# Allegro board reComputer Industrial J201_V1.2.brd (continued)
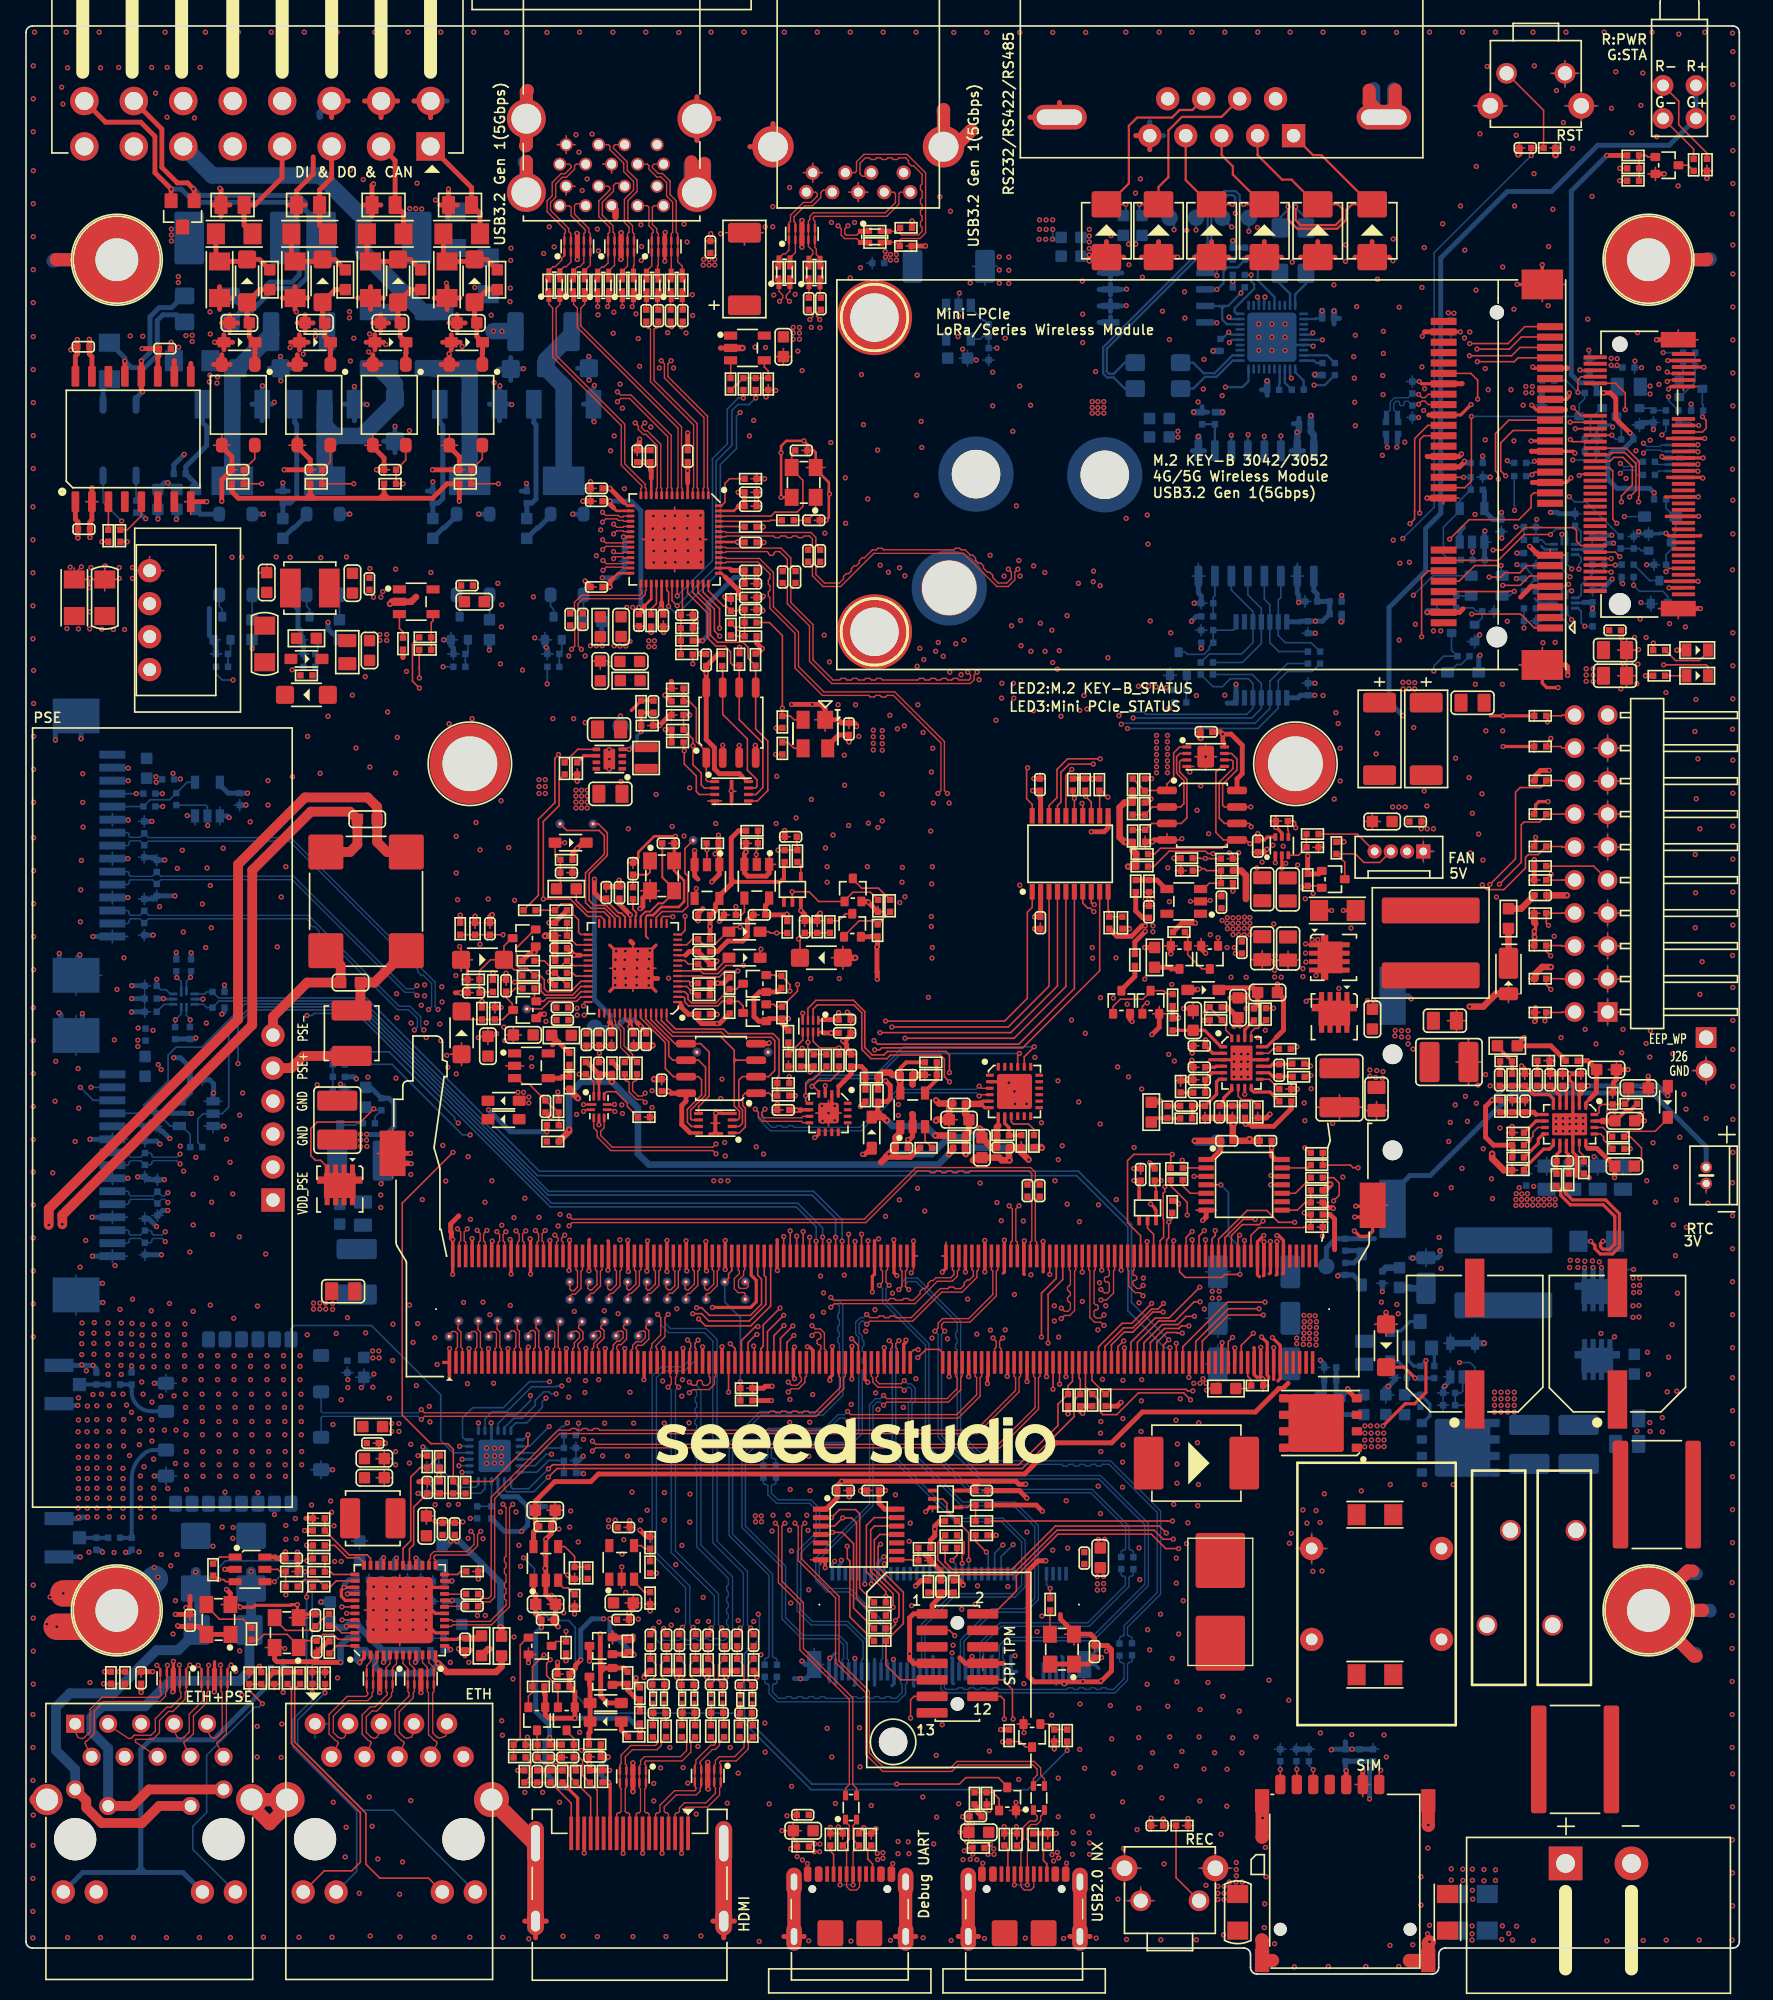
[diagram p0: board, top side]
## Placement (name value [footprint] x y rotation side) (continued)
TP10  Test Point  [TP28C8D]  44.9 53.29 0 top
TP11  Test Point  [TP28C8D]  46.35 53.29 0 top
TP12  Test Point  [TP28C8D]  47.85 53.29 0 top
TP13  Test Point  [TP28C8D]  49.4 53.29 0 top
TP14  Test Point  [TP28C8D]  50.85 53.29 0 top
TP15  Test Point  [TP28C8D]  52.35 53.29 0 top
TP16  Test Point  [TP28C8D]  53.84 53.29 0 top
TP17  Test Point  [TP28C8D]  55.41 51.96 180 top
TP18  Test Point  [TP28C8D]  41.9 51.94 0 top
TP19  Test Point  [TP28C8D]  43.4 51.94 180 top
TP20  Test Point  [TP28C8D]  44.9 51.94 0 top
TP21  Test Point  [TP28C8D]  46.35 51.94 0 top
TP22  Test Point  [TP28C8D]  47.85 51.94 0 top
TP23  Test Point  [TP28C8D]  49.4 51.94 0 top
TP24  Test Point  [TP28C8D]  50.85 51.94 0 top
TP25  Test Point  [TP28C8D]  52.4 51.94 0 top
TP26  Test Point  [TP28C8D]  33.35 50.29 0 top
TP27  Test Point  [TP28C8D]  34.85 50.29 180 top
TP28  Test Point  [TP28C8D]  36.35 50.29 0 top
TP29  Test Point  [TP28C8D]  37.9 50.29 0 top
TP30  Test Point  [TP28C8D]  39.45 50.29 0 top
TP31  Test Point  [TP28C8D]  41.15 50.24 0 top
TP32  Test Point  [TP28C8D]  46.31 50.24 0 top
TP33  Test Point  [TP28C8D]  42.84 50.24 180 top
TP34  Test Point  [TP28C8D]  44.57 50.24 180 top
TP35  Test Point  [TP28C8D]  48.02 50.24 180 top
TP36  Test Point  [TP28C8D]  40.3 49.14 0 top
TP37  Test Point  [TP28C8D]  45.46 49.14 0 top
TP38  Test Point  [TP28C8D]  41.99 49.14 180 top
TP39  Test Point  [TP28C8D]  43.72 49.14 180 top
TP40  Test Point  [TP28C8D]  47.17 49.14 180 top
TP41  Test Point  [TP28C8D]  32.6 49.09 180 top
TP42  Test Point  [TP28C8D]  34.15 49.09 180 top
TP43  Test Point  [TP28C8D]  35.65 49.09 0 top
TP44  Test Point  [TP28C8D]  37.15 49.09 0 top
TP45  Test Point  [TP28C8D]  38.7 49.09 0 top
TP46  Test Point  [TP60C_SMD]  45.8 96.1 0 bottom
TP47  Test Point  [TP60C_SMD]  91.76 64.03 270 bottom
TP48  Test Point  [TP60C_SMD]  100.18 54.5 90 bottom
TP49  Test Point  [TP60C_SMD]  43.82 72.87 180 bottom
TP50  Test Point  [TP60C_SMD]  88.11 135.23 0 bottom
TP51  Test Point  [TP60C_SMD]  90.14 135.23 0 bottom
TP52  Test Point  [TP60C_SMD]  92.18 135.23 0 bottom
TP53  Test Point  [TP60C_SMD]  94.21 135.23 0 bottom
U1  TPD4E02B04DQAR  [USON10_0D5_2D5X1X0D5MM]  59.78 133.99 0 top
U2  TPD4E02B04DQAR  [USON10_0D5_2D5X1X0D5MM]  42.48 133.03 0 top
U3  TPD4E02B04DQAR  [USON10_0D5_2D5X1X0D5MM]  45.85 133.03 0 top
U4  TPD4E02B04DQAR  [USON10_0D5_2D5X1X0D5MM]  49.21 133.03 0 top
U5  SGM2588CYN5G/TR  [SOT23-5]  55.59 125.21 270 top
U7  TPT71044-SOBR  [SOIC16_1R27_10R3X7R5MM]  8.25 118.2 0 top
U8  USB5744T-I/2G  [VQFN56_0D4_7X7X1MM]  49.97 110.46 270 top
U9  SY6280AAC  [SOT23-5]  30.06 105.67 270 top
U10  IB0505S-W75R3  [CONVERTER4P_2R54_11R6X6MM]  9.53 104.25 270 top
U11  GD25Q40ETIGR  [SOIC8_1D27_4_9X3_9MM]  54.31 96.36 0 top
U12  GD25Q40EEIGR  [USON8_0D5_3X2X0_6MM]  54.36 91.07 270 top
U13  UM805RE  [SOT_143]  60.82 95.48 180 top
U14  ETA3410D2I-T  [DFN8G_0D5_2X2MM_3410]  44.94 93.55 180 top
U15  CAT24C02VP2IGT3A  [UDFN8_0D5_2X3X0_6MM]  90.89 93.73 270 top
U16  AT24C256C-SSHL-T  [SOIC8_1D27_4_9X3_9MM]  90.6 89.23 270 top
U17  SN74LVC1T45DRLR  [SOT6]  96.75 86.89 90 top
U18  TXB0108PWR  [TSSOP20-0_65-6_5X4_4X1MM]  80.45 86.26 0 top
U19  SN74LV1T125DBVR  [SOT23-5]  56.3 84.15 180 top
U20  SN74LV1T125DBVR  [SOT23-5]  52.47 84.12 180 top
U21  74LVC1G07GW  [SOT353]  59.05 83.51 0 top
U22  LC1458CB5TR18  [SOT23-5]  89.2 82.59 90 top
U23  RP2040  [QFN56_0D4_7X7X0_9MM]  46.76 77.45 180 top
U24  TXB0302DQMR  [X2SON8_0D4_1_8X1_2X0_4MM]  60.44 72.98 180 top
U25  MP9928GL-Z  [QFN20_0D5_3X4X1MM_PAD]  93.65 70.15 0 top
U26  LC1458CB5TR33  [SOT23-5]  38.94 69.93 270 top
U27  GD25Q40EEIGR  [USON8_0D5_3X2X0_6MM]  53.11 65.51 90 top
U28  GD25Q40ETIGR  [SOIC8_1D27_4_9X3_9MM]  53.55 69.73 90 top
U29  SGM7222YWQ10/TR  [WQFN10_0D4_1_8X1_4X0_75MM]  44.14 66.75 270 top
U30  CH343P  [QFN16G_0D5_3X3X0_85MM]  61.83 66.29 270 top
U31  MP9928GL-Z  [QFN20_0D5_3X4X1MM_PAD]  118.93 65.43 270 top
U32  TPD4E05U06DQAR  [USON10_0D5_2D5X1X0D5MM]  27.25 22.74 180 top
U33  74LVC1G07GW  [SOT353]  86.41 58.99 0 top
U34  74LVC1G07GW  [SOT353]  70.84 36.58 270 top
U35  SY6280AAC  [SOT23-5]  45.89 31.69 0 top
U36  SY6280AAC  [SOT23-5]  40.05 31.62 0 top
U37  93LC66AT-I/OT  [SOT23_6]  17.26 31.16 270 top
U38  LAN7430-I/Y9X  [QFN48_0D5_7X7MM]  28.8 28.02 90 top
U39  TPD4E02B04DQAR  [USON10_0D5_2D5X1X0D5MM]  52.53 15.26 180 top
U40  TPD4E02B04DQAR  [USON10_0D5_2D5X1X0D5MM]  46.76 15.21 180 top
U41  SGM2588CYN5G/TR  [SOT23-5]  71.84 127.19 0 bottom
U42  F81439N  [QFN40_0D4_5X5MM]  95.99 126.04 180 bottom
U43  TPD4E02B04DQAR  [USON10_0D5_2D5X1X0D5MM]  127 116.73 90 bottom
U44  ISO6742DWR  [SOIC16_1R27_10R3X7R5MM]  94.77 112.47 180 bottom
U45  SGM7222YWQ10/TR  [WQFN10_0D4_1_8X1_4X0_75MM]  118.53 109.69 180 bottom
U46  SGM7222YWQ10/TR  [WQFN10_0D4_1_8X1_4X0_75MM]  118.53 105.57 180 bottom
U47  TXB0104PWR  [TSSOP14_0D65_5X4D4X1D2MM]  95.18 101.19 180 bottom
U48  SGM7222YWQ10/TR  [WQFN10_0D4_1_8X1_4X0_75MM]  12.16 75.07 0 bottom
U49  NCP301LSN20T1G  [SOT23-5]  110.69 47.28 180 bottom
U50  BL-M8723DU1  [MODULE_WIFI_22P_1D27_12_9X12_2X0_8MM]  10.66 48.99 0 bottom
U51  PCA9535RGER  [VQFN24_0D5_4X4X1MM]  36.11 39.89 0 bottom
U52  LC1458CB5TR33  [SOT23-5]  68.31 66.54 0 top
U53  SN74LV1T125DBVR  [SOT23-5]  111.41 111.55 180 bottom
U54  CP2102N-A02-GQFN24R  [QFN24_0D5_4X4MM]  76.16 67.96 0 top
U55  SN74LV1T125DBVR  [SOT23-5]  13.98 90.47 180 bottom
U56  SN74LV1T125DBVR  [SOT23-5]  13.11 66.25 270 bottom
U57  TXB0104PWR  [TSSOP14_0D65_5X4D4X1D2MM]  64.16 33.84 270 top
U58  TXS0104EPWR  [TSSOP14_0D65_5X4D4X1D2MM]  93.85 60.77 270 top
U59  TPD4E05U06DQAR  [USON10_0D5_2D5X1X0D5MM]  30.42 22.74 180 top
U60  TPD4E05U06DQAR  [USON10_0D5_2D5X1X0D5MM]  14.52 22.77 180 top
U61  TPD4E05U06DQAR  [USON10_0D5_2D5X1X0D5MM]  11.35 22.77 180 top
X1  25MHz CL=12pF  [X4-SMD-3_2X2_5X1_0MM]  59.91 114.85 90 top
X2  12MHz CL=10pF  [X4-SMD-3_2X2_5X1_0MM]  49 84.56 270 top
X3  25MHz CL=12pF  [X4-SMD-3_2X2_5X1_0MM]  20.08 26.29 90 top

## Library data of the parts
C1 C2 C4-C15 C17-C64 C67-C146 C149-C203 C205-C237 C239 C241 C243-C305 = CC
C3 C65 C66 C147 C148 C204 C238 C240 C242 = CT
D1 D3-D10 D20 D22-D25 D27 D28 D30 D35 D37 D42 D43 D45 D46 D49-D60 D65 D66 D68 D71-D86 D90-D93 D95-D100 D102-D104 = DIODE TVS BI-DIR
D2 = DIODE TVS BI-DIR DUAL
D11-D14 D21 D32 D33 D38 D44 D61-D64 = DIODE TVS
D15-D19 D26 D29 D31 D34 D36 D39-D41 D47 D48 D67 D69 D70 D87-D89 D94 D101 = D_Schottky
F1-F5 = Fuse
FB1-FB13 = FB
G1 G2 = GDT_2P
J1 = DB9
J2 = Terminal 2X8
J3 = USB3.0 A TYPE
J4 = USB3.0_Dual Type A_18+4P
J5 = MINI_PCIE_52P_For_EG25-G
J6 = CON_M2_PCI_EXP_KEYB
J7 = Header 1x4
J8 = Header 2x10
J9 = CON_SODIMM260_JETSON_Orin NX
J10 = WC-PSE12-52V
J11 = Header 2x7 13P
J12 J17 J26 = Header 1x2
J13 = RJ45_POE_LPJG0926HENL
J14 = RJ45_LPJG0933HENL
J15 = Nano SIM Hloder_ST-SIM-SP132
J16 = HDMI_Type A_19P
J18 J19 = USB2.0_Type C_16+6P#1
J20 J23 = FPC 15+2P
J21 = PCIe_M.2_Key M_75Pin
J22 = BAT Holder 2P
J24 J25 = RF ANT 3P
L1-L9 L24 L25 L29 = CL
L10-L13 L15-L23 L30-L32 L34 = L
L14 L26-L28 L33 = CLT
LED1 = LED_R+G
LED2 LED3 = Single LED
MH1-MH4 MH7-MH10 = Mhole
MH5 MH6 MH11 = MHole
OSC1 OSC2 = OSC_4P
Q1 Q6 Q7 Q9-Q11 Q13-Q15 Q19-Q22 Q24-Q26 Q32 Q33 Q38-Q42 Q48-Q52 = NMOS_123
Q2-Q5 Q34-Q37 = Optoisolator_4P
Q8 = PMOS_123
Q12 Q16 Q43 Q45 = NMOS_5P_1S2S3S4G5D
Q17 Q46 = PMOS_9P
Q18 Q23 = NPN
Q27 = OptoMOS Relay
Q28-Q31 = NPN_4P
Q44 = PNP
Q47 = PMOS_5P
R1-R5 R10-R226 R229-R289 R291-R339 R344-R448 = R
R6-R9 R227 R228 = VDR
R290 = R: signal model: DEFAULT_RESISTOR_120.000000OHM_1_2
R340-R343 = R: signal model: DEFAULT_RESISTOR_100.000000OHM_1_2
SW1 SW2 = Tactile Switch_2+2P
SW3 = DIP Switches_4CH
TP1-TP53 = Test Point
U1-U4 U32 U39 U40 U43 U59-U61 = TPD4E05U06DQAR
U5 U41 = TPS2051BDBV
U7 = TPT71044-SOBR
U8 = USB5744
U9 U35 U36 = SY6280
U10 = Isolate DCDC
U11 U28 = QSPI_8P
U12 U27 = QSPI_9P
U13 = UM805_4P
U14 = ETA3410
U15 = EEPROM_8+1P
U16 = CAT24C256
U17 = SN74LVC1T45DRLR
U18 = TXS0108EPWR
U19-U21 U33 U34 U53 U55 U56 = SN74LVC1G07DCK
U22 U26 U52 = LDO_5P_FB_EN
U23 = RP2040
U24 = TXB0302
U25 U31 = MP9928GL
U29 U45 U46 U48 = SGM7222
U30 = CH343P
U37 = 93LC66AT-I/OT
U38 = LAN7430
U42 = F81439N
U44 = ISO6742
U47 U57 U58 = TXB0104PW
U49 = NCP301LSN20T1
U50 = BL-M8723DU1
U51 = PCA9535RGE
U54 = CP2102N
X1-X3 = XTAL_4P

## Footprints (pads in the part's own frame, mm; a bottom-side part is the same pattern mirrored in y, then rotated)
AVX_C
  rrect 1.524x2.54 smd: 1(-2.794,0) 2(2.794,0)
BAT-CR1220
  round 1.524 hole 1.524 unplated: (0,-3.7) (0,3.7)
  rect 2.032x4.47 smd: 1(0,8.2) 2(0,-8.2)
C0402
  rrect 0.5x0.5 smd: 1(-0.463,0) 2(0.463,0)
C0603
  rrect 0.889x0.889 smd: 1(-0.762,0) 2(0.762,0)
C0805
  rrect 1.016x1.397 smd: 1(-0.889,0) 2(0.889,0)
C1206
  rect 1.397x1.626 smd: 1(-1.41,0) 2(1.41,0)
C1210
  rrect 1.55x3.1 smd: 1(-1.5,0) 2(1.5,0)
CAE-10_5X10_5X10_5MM-S
  rect 4.5x1.5 smd: 1(-4.3,0) 2(4.3,0)
CON_MINIPEX_067_SMT_RA_M2_KEYE_B
  round 1.2 hole 1.2 unplated: (-10,0)
  round 1.7 hole 1.7 unplated: (10,0)
  rrect 0.3x1.8 smd: 1(-9.25,4.9) 2(-9,-1.9) 3(-8.75,4.9) 4(-8.5,-1.9) 5(-8.25,4.9) 6(-8,-1.9) 7(-7.75,4.9) 8(-7.5,-1.9) 9(-7.25,4.9) 10(-7,-1.9) 11(-6.75,4.9) 20(-4.5,-1.9) 21(-4.25,4.9) 22(-4,-1.9) 23(-3.75,4.9) 24(-3.5,-1.9) 25(-3.25,4.9) 26(-3,-1.9) 27(-2.75,4.9) 28(-2.5,-1.9) 29(-2.25,4.9) 30(-2,-1.9) 31(-1.75,4.9) 32(-1.5,-1.9) 33(-1.25,4.9) 34(-1,-1.9) 35(-0.75,4.9) 36(-0.5,-1.9) 37(-0.25,4.9) 38(0,-1.9) 39(0.25,4.9) 40(0.5,-1.9) 41(0.75,4.9) 42(1,-1.9) 43(1.25,4.9) 44(1.5,-1.9) 45(1.75,4.9) 46(2,-1.9) 47(2.25,4.9) 48(2.5,-1.9) 49(2.75,4.9) 50(3,-1.9) 51(3.25,4.9) 52(3.5,-1.9) 53(3.75,4.9) 54(4,-1.9) 55(4.25,4.9) 56(4.5,-1.9) 57(4.75,4.9) 58(5,-1.9) 59(5.25,4.9) 60(5.5,-1.9) 61(5.75,4.9) 62(6,-1.9) 63(6.25,4.9) 64(6.5,-1.9) 65(6.75,4.9) 66(7,-1.9) 67(7.25,4.9) 68(7.5,-1.9) 69(7.75,4.9) 70(8,-1.9) 71(8.25,4.9) 72(8.5,-1.9) 73(8.75,4.9) 74(9,-1.9) 75(9.25,4.9)
  rect 1.2x2.7 smd: 76(-10.35,4.5) 77(10.35,4.5)
CON_MINIPEX_075_SMT_RA_M2_KEYM
  round 0.13 hole 1.1 unplated: (-10,-1.335)
  round 0.13 hole 1.6 unplated: (10,-1.335)
  rect 0.28x1.4 smd: 1(-9.25,3.815) 3(-8.75,3.815) 5(-8.25,3.815) 7(-7.75,3.815) 9(-7.25,3.815) 11(-6.75,3.815) 13(-6.25,3.815) 15(-5.75,3.815) 17(-5.25,3.815) 19(-4.75,3.815) 21(-4.25,3.815) 23(-3.75,3.815) 25(-3.25,3.815) 27(-2.75,3.815) 29(-2.25,3.815) 31(-1.75,3.815) 33(-1.25,3.815) 35(-0.75,3.815) 37(-0.25,3.815) 39(0.25,3.815) 41(0.75,3.815) 43(1.25,3.815) 45(1.75,3.815) 47(2.25,3.815) 49(2.75,3.815) 51(3.25,3.815) 53(3.75,3.815) 55(4.25,3.815) 57(4.75,3.815) 67(7.25,3.815) 69(7.75,3.815) 71(8.25,3.815) 73(8.75,3.815) 75(9.25,3.815)
  rect 0.28x1.05 smd: 2(-9,-3.71) 4(-8.5,-3.71) 6(-8,-3.71) 8(-7.5,-3.71) 10(-7,-3.71) 12(-6.5,-3.71) 14(-6,-3.71) 16(-5.5,-3.71) 18(-5,-3.71) 20(-4.5,-3.71) 22(-4,-3.71) 24(-3.5,-3.71) 26(-3,-3.71) 28(-2.5,-3.71) 30(-2,-3.71) 32(-1.5,-3.71) 34(-1,-3.71) 36(-0.5,-3.71) 38(0,-3.71) 40(0.5,-3.71) 42(1,-3.71) 44(1.5,-3.71) 46(2,-3.71) 48(2.5,-3.71) 50(3,-3.71) 52(3.5,-3.71) 54(4,-3.71) 56(4.5,-3.71) 58(5,-3.71) 68(7.5,-3.71) 70(8,-3.71) 72(8.5,-3.71) 74(9,-3.71)
  rect 1.1x2.08 smd: 76(-10.4,3.28) 77(10.4,3.28)
CON_SODIMM_260_SMT_0D5_SD_80888_600_C
  round 0.13 hole 1.1 unplated: (-34.4,0.1)
  round 0.13 hole 1.6 unplated: (34.4,0.1)
  rect 0.28x1.75 smd: 1(33.375,4.2) 2(33.125,-4) 3(32.875,4.2) 4(32.625,-4) 5(32.375,4.2) 6(32.125,-4) 7(31.875,4.2) 8(31.625,-4) 9(31.375,4.2) 10(31.125,-4) 11(30.875,4.2) 12(30.625,-4) 13(30.375,4.2) 14(30.125,-4) 15(29.875,4.2) 16(29.625,-4) 17(29.375,4.2) 18(29.125,-4) 19(28.875,4.2) 20(28.625,-4) 21(28.375,4.2) 22(28.125,-4) 23(27.875,4.2) 24(27.625,-4) 25(27.375,4.2) 26(27.125,-4) 27(26.875,4.2) 28(26.625,-4) 29(26.375,4.2) 30(26.125,-4) 31(25.875,4.2) 32(25.625,-4) 33(25.375,4.2) 34(25.125,-4) 35(24.875,4.2) 36(24.625,-4) 37(24.375,4.2) 38(24.125,-4) 39(23.875,4.2) 40(23.625,-4) 41(23.375,4.2) 42(23.125,-4) 43(22.875,4.2) 44(22.625,-4) 45(22.375,4.2) 46(22.125,-4) 47(21.875,4.2) 48(21.625,-4) 49(21.375,4.2) 50(21.125,-4) 51(20.875,4.2) 52(20.625,-4) 53(20.375,4.2) 54(20.125,-4) 55(19.875,4.2) 56(19.625,-4) 57(19.375,4.2) 58(19.125,-4) 59(18.875,4.2) 60(18.625,-4) 61(18.375,4.2) 62(18.125,-4) 63(17.875,4.2) 64(17.625,-4) 65(17.375,4.2) 66(17.125,-4) 67(16.875,4.2) 68(16.625,-4) 69(16.375,4.2) 70(16.125,-4) 71(15.875,4.2) 72(15.625,-4) 73(15.375,4.2) 74(15.125,-4) 75(14.875,4.2) 76(14.625,-4) 77(14.375,4.2) 78(14.125,-4) 79(13.875,4.2) 80(13.625,-4) 81(13.375,4.2) 82(13.125,-4) 83(12.875,4.2) 84(12.625,-4) 85(12.375,4.2) 86(12.125,-4) 87(11.875,4.2) 88(11.625,-4) 89(11.375,4.2) 90(11.125,-4) 91(10.875,4.2) 92(10.625,-4) 93(10.375,4.2) 94(10.125,-4) 95(9.875,4.2) 96(9.625,-4) 97(9.375,4.2) 98(9.125,-4) 99(8.875,4.2) 100(8.625,-4) 101(8.375,4.2) 102(8.125,-4) 103(7.875,4.2) 104(7.625,-4) 105(7.375,4.2) 106(7.125,-4) 107(6.875,4.2) 108(6.625,-4) 109(6.375,4.2) 110(6.125,-4) 111(5.875,4.2) 112(5.625,-4) 113(5.375,4.2) 114(5.125,-4) 115(4.875,4.2) 116(4.625,-4) 117(4.375,4.2) 118(4.125,-4) 119(3.875,4.2) 120(3.625,-4) 121(3.375,4.2) 122(3.125,-4) 123(2.875,4.2) 124(2.625,-4) 125(2.375,4.2) 126(2.125,-4) 127(1.875,4.2) 128(1.625,-4) 129(1.375,4.2) 130(1.125,-4) 131(0.875,4.2) 132(0.625,-4) 133(0.375,4.2) 134(0.125,-4) 135(-0.125,4.2) 136(-0.375,-4) 137(-0.625,4.2) 138(-0.875,-4) 139(-1.125,4.2) 140(-1.375,-4) 141(-1.625,4.2) 142(-1.875,-4) 143(-2.125,4.2) 144(-2.375,-4) 145(-4.625,4.2) 146(-4.875,-4) 147(-5.125,4.2) 148(-5.375,-4) 149(-5.625,4.2) 150(-5.875,-4) 151(-6.125,4.2) 152(-6.375,-4) 153(-6.625,4.2) 154(-6.875,-4) 155(-7.125,4.2) 156(-7.375,-4) 157(-7.625,4.2) 158(-7.875,-4) 159(-8.125,4.2) 160(-8.375,-4) 161(-8.625,4.2) 162(-8.875,-4) 163(-9.125,4.2) 164(-9.375,-4) 165(-9.625,4.2) 166(-9.875,-4) 167(-10.125,4.2) 168(-10.375,-4) 169(-10.625,4.2) 170(-10.875,-4) 171(-11.125,4.2) 172(-11.375,-4) 173(-11.625,4.2) 174(-11.875,-4) 175(-12.125,4.2) 176(-12.375,-4) 177(-12.625,4.2) 178(-12.875,-4) 179(-13.125,4.2) 180(-13.375,-4) 181(-13.625,4.2) 182(-13.875,-4) 183(-14.125,4.2) 184(-14.375,-4) 185(-14.625,4.2) 186(-14.875,-4) 187(-15.125,4.2) 188(-15.375,-4) 189(-15.625,4.2) 190(-15.875,-4) 191(-16.125,4.2) 192(-16.375,-4) 193(-16.625,4.2) 194(-16.875,-4) 195(-17.125,4.2) 196(-17.375,-4) 197(-17.625,4.2) 198(-17.875,-4) 199(-18.125,4.2) 200(-18.375,-4) 201(-18.625,4.2) 202(-18.875,-4) 203(-19.125,4.2) 204(-19.375,-4) 205(-19.625,4.2) 206(-19.875,-4) 207(-20.125,4.2) 208(-20.375,-4) 209(-20.625,4.2) 210(-20.875,-4) 211(-21.125,4.2) 212(-21.375,-4) 213(-21.625,4.2) 214(-21.875,-4) 215(-22.125,4.2) 216(-22.375,-4) 217(-22.625,4.2) 218(-22.875,-4) 219(-23.125,4.2) 220(-23.375,-4) 221(-23.625,4.2) 222(-23.875,-4) 223(-24.125,4.2) 224(-24.375,-4) 225(-24.625,4.2) 226(-24.875,-4) 227(-25.125,4.2) 228(-25.375,-4) 229(-25.625,4.2) 230(-25.875,-4) 231(-26.125,4.2) 232(-26.375,-4) 233(-26.625,4.2) 234(-26.875,-4) 235(-27.125,4.2) 236(-27.375,-4) 237(-27.625,4.2) 238(-27.875,-4) 239(-28.125,4.2) 240(-28.375,-4) 241(-28.625,4.2) 242(-28.875,-4) 243(-29.125,4.2) 244(-29.375,-4) 245(-29.625,4.2) 246(-29.875,-4) 247(-30.125,4.2) 248(-30.375,-4) 249(-30.625,4.2) 250(-30.875,-4) 251(-31.125,4.2) 252(-31.375,-4) 253(-31.625,4.2) 254(-31.875,-4) 255(-32.125,4.2) 256(-32.375,-4) 257(-32.625,4.2) 258(-32.875,-4) 259(-33.125,4.2) 260(-33.375,-4)
  rect 2x3.5 smd: 261(-37.75,-7.9) 262(37.75,-11.9)
CONVERTER4P_2R54_11R6X6MM
  round 1.8 hole 1: 1(-3.81,0) 2(-1.27,0) 3(1.27,0) 4(3.81,0)
D0402
  rrect 0.5x0.5 smd: 1(-0.463,0) 2(0.463,0)
DFN08_SON08_0D66_3X3MM
  rect 1.1x0.39 smd: 1(-1.354,0.975) 2(-1.354,0.325) 3(-1.354,-0.325) 4(-1.354,-0.975)
  custom 2.479x3.5 smd: 5(0,0)
DFN8G_0D5_2X2MM_3410
  rrect 0.6x0.3 smd: 1(-1,0.75) 2(-1,0.25) 3(-1,-0.25) 4(-1,-0.75) 5(1,-0.75) 6(1,-0.25) 7(1,0.25) 8(1,0.75)
  rrect 0.9x1.6 smd: 9(0,0)
DO_214AA_SMB
  rrect 2.032x2.286 smd: 1(-2.032,0) 2(2.032,0)
DO_214AB_SMC
  rrect 2.286x4.064 smd: 1(-3.683,0) 2(3.683,0)
DSUB9P_1D385_31X18_59X12_48MM
  rect 1.8x1.8 hole 1.036: 1(5.54,-2.84)
  round 1.8 hole 1.036: 2(2.77,-2.84) 3(0,-2.84) 4(-2.77,-2.84) 5(-5.54,-2.84) 6(4.155,0) 7(1.385,0) 8(-1.385,0) 9(-4.155,0)
  oval 4.2x1.9 hole 3.5x1.2: 10(-12.495,-1.42) 11(12.495,-1.42)
F1812
  rrect 1.27x3 smd: 1(-2.159,0) 2(2.159,0)
FPC15_1_23MM
  rect 0.61x2 smd: 1(-7,0) 2(-6,0) 3(-5,0) 4(-4,0) 5(-3,0) 6(-2,0) 7(-1,0) 8(0,0) 9(1,0) 10(2,0) 11(3,0) 12(4,0) 13(5,0) 14(6,0) 15(7,0)
  rect 2.68x3.6 smd: 16(-9.99,-2.8) 17(9.99,-2.8)
FUSE2P_HOLDER_9_73X5_03X3_81MM
  rrect 4.24x3.81 smd: 1(-3.185,0) 2(3.185,0)
GDT2P_5D6_8_3X5_5X8_3MM
  rrect 1.2x8.3 smd: 1(-2.8,0) 2(2.8,0)
HDMI19P_0D5_15X12_15X6_18MM
  rrect 0.3x2.6 smd: 1(4.5,0) 2(4,0) 3(3.5,0) 4(3,0) 5(2.5,0) 6(2,0) 7(1.5,0) 8(1,0) 9(0.5,0) 10(0,0) 11(-0.5,0) 12(-1,0) 13(-1.5,0) 14(-2,0) 15(-2.5,0) 16(-3,0) 17(-3.5,0) 18(-4,0) 19(-4.5,0)
  oval 1.3x3.4 hole 0.7x2.8: 20(7.25,-0.76) 21(-7.25,-0.76)
  oval 1.3x2.2 hole 0.7x1.6: 22(7.25,-6.76) 23(-7.25,-6.76)
HEADER2P_1D25_DIP
  round 0.9 hole 0.55: 1(0.625,0) 2(-0.625,0)
HEADER2P_2D54_DIP
  rect 1.6x1.6 hole 1.1: 1(0,1.27)
  round 1.6 hole 1.1: 2(0,-1.27)
HEADER2X7P_1D27_SMD_NP_EPT14
  round 1.05 hole 1.05 unplated: (-3.125,0) (3.125,0)
  rrect 0.74x2.4 smd: 1(-3.81,-1.95) 2(-3.81,1.95) 3(-2.54,-1.95) 4(-2.54,1.95) 5(-1.27,-1.95) 6(-1.27,1.95) 7(0,-1.95) 8(0,1.95) 9(1.27,-1.95) 10(1.27,1.95) 11(2.54,-1.95) 12(2.54,1.95) 13(3.81,-1.95)
HEADER2X10P_2D54_DIP_90
  rect 1.524x1.524 hole 1.016: 1(0,13.97)
  round 1.524 hole 1.016: 2(2.54,13.97) 3(0,11.43) 4(2.54,11.43) 5(0,8.89) 6(2.54,8.89) 7(0,6.35) 8(2.54,6.35) 9(0,3.81) 10(2.54,3.81) 11(0,1.27) 12(2.54,1.27) 13(0,-1.27) 14(2.54,-1.27) 15(0,-3.81) 16(2.54,-3.81) 17(0,-6.35) 18(2.54,-6.35) 19(0,-8.89) 20(2.54,-8.89)
JST4P_1D25_6_75X3_2X4_7MM
  rect 1.1x1.1 hole 0.6: 1(-1.875,0)
  round 1.1 hole 0.6: 2(-0.625,0) 3(0.625,0) 4(1.875,0)
L2P_5D0_9X8_5X4_8MM
  rrect 7.55x2 smd: 1(0,2.5) 2(0,-2.5)
L4P_4_75X4_5X_2MM
  rrect 1.5x1.3 smd: 1(-1.75,1) 2(-1.75,-1) 3(1.75,-1) 4(1.75,1)
L4P_10X8_7X6_5MM
  rrect 2.7x2.7 smd: 1(3.1,-3.8) 2(-3.1,-3.8) 3(-3.1,3.8) 4(3.1,3.8)
L4P_DIP_20X12X18MM
  round 1.8 hole 0.9: 1(-3.5,-5) 2(3.5,-5) 3(3.5,5) 4(-3.5,5)
L4X4MM
  rect 1.6x3 smd: 1(-1.5,0) 2(1.5,0)
L0201
  rrect 0.279x0.318 smd: 1(-0.279,0) 2(0.279,0)
L0402
  rrect 0.5x0.5 smd: 1(-0.463,0) 2(0.463,0)
L0603
  rrect 0.889x0.889 smd: 1(-0.762,0) 2(0.762,0)
L2012
  rrect 0.75x0.4 smd: 1(-0.925,0.425) 2(0.925,0.425) 3(0.925,-0.425) 4(-0.925,-0.425)
L2016
  rrect 0.7x1.8 smd: 1(-0.8,0) 2(0.8,0)
L4242
  rrect 1.55x3.1 smd: 1(-1.75,0) 2(1.75,0)
LED4_2D54_9X4_3X9_65MM
  round 1.6 hole 0.9: 1(1.27,2.54) 2(-1.27,2.54) 3(1.27,0) 4(-1.27,0)
LED0603
  rect 0.762x1.016 smd: 1(-0.826,0) 2(0.826,0)
MODULE_WIFI_22P_1D27_12_9X12_2X0_8MM
  rrect 1.25x1 smd: 1(0.125,10.64) 2(0.125,8.64) 3(0.125,5.66) 4(0.125,3.5) 11(12.075,1.36) 12(12.075,4.16) 13(12.075,7.66) 14(12.075,10.16)
  rrect 1x1.25 smd: 5(3.4,0.125) 6(4.67,0.125) 7(5.94,0.125) 8(7.21,0.125) 9(8.48,0.125) 10(9.75,0.125) 15(9.75,12.775) 16(8.48,12.775) 17(7.21,12.775) 18(5.94,12.775) 19(4.67,12.775) 20(3.4,12.775) 21(2.13,12.775) 22(0.86,12.775)
PCIE52_0D8_56X30_2X4MM
  round 1.6 hole 1.6 unplated: (0,12.5)
  round 1.1 hole 1.1 unplated: (0,-12.5)
  rect 2x0.55 smd: 1(-4.1,11.8) 2(4.1,11.4) 3(-4.1,11) 4(4.1,10.6) 5(-4.1,10.2) 6(4.1,9.8) 7(-4.1,9.4) 8(4.1,9) 9(-4.1,8.6) 10(4.1,8.2) 11(-4.1,7.8) 12(4.1,7.4) 13(-4.1,7) 14(4.1,6.6) 15(-4.1,6.2) 16(4.1,5.8) 17(-4.1,2.2) 18(4.1,1.8) 19(-4.1,1.4) 20(4.1,1) 21(-4.1,0.6) 22(4.1,0.2) 23(-4.1,-0.2) 24(4.1,-0.6) 25(-4.1,-1) 26(4.1,-1.4) 27(-4.1,-1.8) 28(4.1,-2.2) 29(-4.1,-2.6) 30(4.1,-3) 31(-4.1,-3.4) 32(4.1,-3.8) 33(-4.1,-4.2) 34(4.1,-4.6) 35(-4.1,-5) 36(4.1,-5.4) 37(-4.1,-5.8) 38(4.1,-6.2) 39(-4.1,-6.6) 40(4.1,-7) 41(-4.1,-7.4) 42(4.1,-7.8) 43(-4.1,-8.2) 44(4.1,-8.6) 45(-4.1,-9) 46(4.1,-9.4) 47(-4.1,-9.8) 48(4.1,-10.2) 49(-4.1,-10.6) 50(4.1,-11) 51(-4.1,-11.4) 52(4.1,-11.8)
  rect 3.2x2.3 smd: 53(-3.5,-14.65) 54(-3.5,14.65)
POWERDI123
  rrect 1x1.5 smd: 1(-1.525,0)
  rrect 2.4x1.5 smd: 2(0.825,0)
PSE6P_WC-PSE12-52V
  rect 1.8x1.8 hole 1.036: 1(0,0)
  round 1.8 hole 1.036: 2(2.54,0) 3(5.08,0) 4(7.62,0) 5(10.16,0) 6(12.7,0)
PTH_3_3MM_6D8
  round 6.8 hole 3.3: 1(0,0)
PTH_3_73MM_5D8_PASTE
  round 5.8 hole 3.73: 1(0,0)
PTH_3_73MM_5D8_PASTE#2
  round 3.73 hole 3.73: 1(0,0)
PTH_4_2MM_5D8_TOP
  round 4.3 hole 4.2: 1(0,0)
PTH_4_22MM_6D2_PASTE
  round 6.2 hole 4.22: 1(0,0)
QFN16G_0D5_3X3X0_85MM
  rrect 0.6x0.25 smd: 1(-1.475,0.75) 2(-1.475,0.25) 3(-1.475,-0.25) 4(-1.475,-0.75) 9(1.475,-0.75) 10(1.475,-0.25) 11(1.475,0.25) 12(1.475,0.75)
  rrect 0.25x0.6 smd: 5(-0.75,-1.475) 6(-0.25,-1.475) 7(0.25,-1.475) 8(0.75,-1.475) 13(0.75,1.475) 14(0.25,1.475) 15(-0.25,1.475) 16(-0.75,1.475)
  rrect 1.6x1.6 smd: 17(0,0)
QFN20_0D5_3X4X1MM_PAD
  rrect 0.6x0.25 smd: 1(-1.4,1.25) 2(-1.4,0.75) 3(-1.4,0.25) 4(-1.4,-0.25) 5(-1.4,-0.75) 6(-1.4,-1.25) 11(1.4,-1.25) 12(1.4,-0.75) 13(1.4,-0.25) 14(1.4,0.25) 15(1.4,0.75) 16(1.4,1.25)
  rrect 0.25x0.6 smd: 7(-0.75,-1.9) 8(-0.25,-1.9) 9(0.25,-1.9) 10(0.75,-1.9) 17(0.75,1.9) 18(0.25,1.9) 19(-0.25,1.9) 20(-0.75,1.9)
  rrect 1.7x2.7 smd: 21(0,0)
QFN24_0D5_4X4MM
  rrect 0.6x0.25 smd: 1(-1.9,1.25) 2(-1.9,0.75) 3(-1.9,0.25) 4(-1.9,-0.25) 5(-1.9,-0.75) 6(-1.9,-1.25) 13(1.9,-1.25) 14(1.9,-0.75) 15(1.9,-0.25) 16(1.9,0.25) 17(1.9,0.75) 18(1.9,1.25)
  rrect 0.25x0.6 smd: 7(-1.25,-1.9) 8(-0.75,-1.9) 9(-0.25,-1.9) 10(0.25,-1.9) 11(0.75,-1.9) 12(1.25,-1.9) 19(1.25,1.9) 20(0.75,1.9) 21(0.25,1.9) 22(-0.25,1.9) 23(-0.75,1.9) 24(-1.25,1.9)
  rrect 2.7x2.7 smd: 25(0,0)
QFN40_0D4_5X5MM
  rrect 0.7x0.2 smd: 1(-2.45,1.8) 2(-2.45,1.4) 3(-2.45,1) 4(-2.45,0.6) 5(-2.45,0.2) 6(-2.45,-0.2) 7(-2.45,-0.6) 8(-2.45,-1) 9(-2.45,-1.4) 10(-2.45,-1.8) 21(2.45,-1.8) 22(2.45,-1.4) 23(2.45,-1) 24(2.45,-0.6) 25(2.45,-0.2) 26(2.45,0.2) 27(2.45,0.6) 28(2.45,1) 29(2.45,1.4) 30(2.45,1.8)
  rrect 0.2x0.7 smd: 11(-1.8,-2.45) 12(-1.4,-2.45) 13(-1,-2.45) 14(-0.6,-2.45) 15(-0.2,-2.45) 16(0.2,-2.45) 17(0.6,-2.45) 18(1,-2.45) 19(1.4,-2.45) 20(1.8,-2.45) 31(1.8,2.45) 32(1.4,2.45) 33(1,2.45) 34(0.6,2.45) 35(0.2,2.45) 36(-0.2,2.45) 37(-0.6,2.45) 38(-1,2.45) 39(-1.4,2.45) 40(-1.8,2.45)
  rrect 3.8x3.8 smd: 41(0,0)
QFN48_0D5_7X7MM
  rrect 0.7x0.3 smd: 1(-3.45,2.75) 2(-3.45,2.25) 3(-3.45,1.75) 4(-3.45,1.25) 5(-3.45,0.75) 6(-3.45,0.25) 7(-3.45,-0.25) 8(-3.45,-0.75) 9(-3.45,-1.25) 10(-3.45,-1.75) 11(-3.45,-2.25) 12(-3.45,-2.75) 25(3.45,-2.75) 26(3.45,-2.25) 27(3.45,-1.75) 28(3.45,-1.25) 29(3.45,-0.75) 30(3.45,-0.25) 31(3.45,0.25) 32(3.45,0.75) 33(3.45,1.25) 34(3.45,1.75) 35(3.45,2.25) 36(3.45,2.75)
  rrect 0.3x0.7 smd: 13(-2.75,-3.45) 14(-2.25,-3.45) 15(-1.75,-3.45) 16(-1.25,-3.45) 17(-0.75,-3.45) 18(-0.25,-3.45) 19(0.25,-3.45) 20(0.75,-3.45) 21(1.25,-3.45) 22(1.75,-3.45) 23(2.25,-3.45) 24(2.75,-3.45) 37(2.75,3.45) 38(2.25,3.45) 39(1.75,3.45) 40(1.25,3.45) 41(0.75,3.45) 42(0.25,3.45) 43(-0.25,3.45) 44(-0.75,3.45) 45(-1.25,3.45) 46(-1.75,3.45) 47(-2.25,3.45) 48(-2.75,3.45)
  rrect 5.1x5.1 smd: 49(0,0)
QFN56_0D4_7X7X0_9MM
  rrect 0.7x0.18 smd: 1(-3.45,2.6) 2(-3.45,2.2) 3(-3.45,1.8) 4(-3.45,1.4) 5(-3.45,1) 6(-3.45,0.6) 7(-3.45,0.2) 8(-3.45,-0.2) 9(-3.45,-0.6) 10(-3.45,-1) 11(-3.45,-1.4) 12(-3.45,-1.8) 13(-3.45,-2.2) 14(-3.45,-2.6) 29(3.45,-2.6) 30(3.45,-2.2) 31(3.45,-1.8) 32(3.45,-1.4) 33(3.45,-1) 34(3.45,-0.6) 35(3.45,-0.2) 36(3.45,0.2) 37(3.45,0.6) 38(3.45,1) 39(3.45,1.4) 40(3.45,1.8) 41(3.45,2.2) 42(3.45,2.6)
  rrect 0.18x0.7 smd: 15(-2.6,-3.45) 16(-2.2,-3.45) 17(-1.8,-3.45) 18(-1.4,-3.45) 19(-1,-3.45) 20(-0.6,-3.45) 21(-0.2,-3.45) 22(0.2,-3.45) 23(0.6,-3.45) 24(1,-3.45) 25(1.4,-3.45) 26(1.8,-3.45) 27(2.2,-3.45) 28(2.6,-3.45) 43(2.6,3.45) 44(2.2,3.45) 45(1.8,3.45) 46(1.4,3.45) 47(1,3.45) 48(0.6,3.45) 49(0.2,3.45) 50(-0.2,3.45) 51(-0.6,3.45) 52(-1,3.45) 53(-1.4,3.45) 54(-1.8,3.45) 55(-2.2,3.45) 56(-2.6,3.45)
  rrect 3.2x3.2 smd: 57(0,0)
R0402
  rrect 0.5x0.5 smd: 1(-0.463,0) 2(0.463,0)
R0603
  rrect 0.889x0.889 smd: 1(-0.762,0) 2(0.762,0)
R0805
  rrect 1.016x1.397 smd: 1(-0.889,0) 2(0.889,0)
R1206
  rect 1.397x1.626 smd: 1(-1.41,0) 2(1.41,0)
RES_0D8_16_5X4_1X20MM
  round 1.6 hole 1.2: 1(-3.65,0.9) 2(3.65,-0.9)
RJ45_18P_LPJG0801HBNL
  round 3.25 hole 3.25 unplated: (-5.715,0) (5.715,0)
  round 1.6 hole 0.9: 1(-5.715,8.89) 2(-4.445,6.35) 3(-3.175,8.89) 4(-1.905,6.35) 5(-0.635,8.89) 6(0.635,6.35) 7(1.905,8.89) 8(3.175,6.35) 9(4.445,8.89) 10(5.715,6.35)
  round 1.8 hole 1.05: 11(-6.63,-4.06) 12(-4.09,-4.06) 13(4.09,-4.06) 14(6.63,-4.06)
  round 2.7 hole 1.7: 15(-7.875,3.05) 16(7.875,3.05)
RJ45_20P_LPJG0926HENL
  round 3.25 hole 3.25 unplated: (-5.715,0) (5.715,0)
  rect 1.4x1.4 hole 0.9: 1(-5.715,8.89)
  round 1.4 hole 0.9: 2(-4.445,6.35) 3(-3.175,8.89) 4(-1.905,6.35) 5(-0.635,8.89) 6(0.635,6.35) 7(1.905,8.89) 8(3.175,6.35) 9(4.445,8.89) 10(5.715,6.35) 11(-5.715,3.83) 12(-3.175,2.56) 13(3.175,2.56) 14(5.715,3.83)
  round 1.8 hole 1.036: 15(-6.63,-4.06) 16(-4.09,-4.06) 17(4.09,-4.06) 18(6.63,-4.06)
  round 2.4 hole 1.7: 19(-7.875,3.05) 20(7.875,3.05)
SIM7_4P_13_1X13_5X1_55MM
  round 1 hole 1 unplated: (0,-11.15) (10,-11.15)
  rrect 0.8x1.5 smd: C1(0,0) C2(1.27,0) C3(2.54,0) C4(3.81,0) C5(5.08,0) C6(6.35,0) C7(7.62,0)
  rrect 1.1x1.8 smd: G1(-1.4,-1.25) G2(11.4,-1.25) G3(11.4,-13.55) G4(-1.4,-13.55)